# Altium PCB PCB_3U_CLK_DIST.PCBDOC (part 1 of 2) (continued)
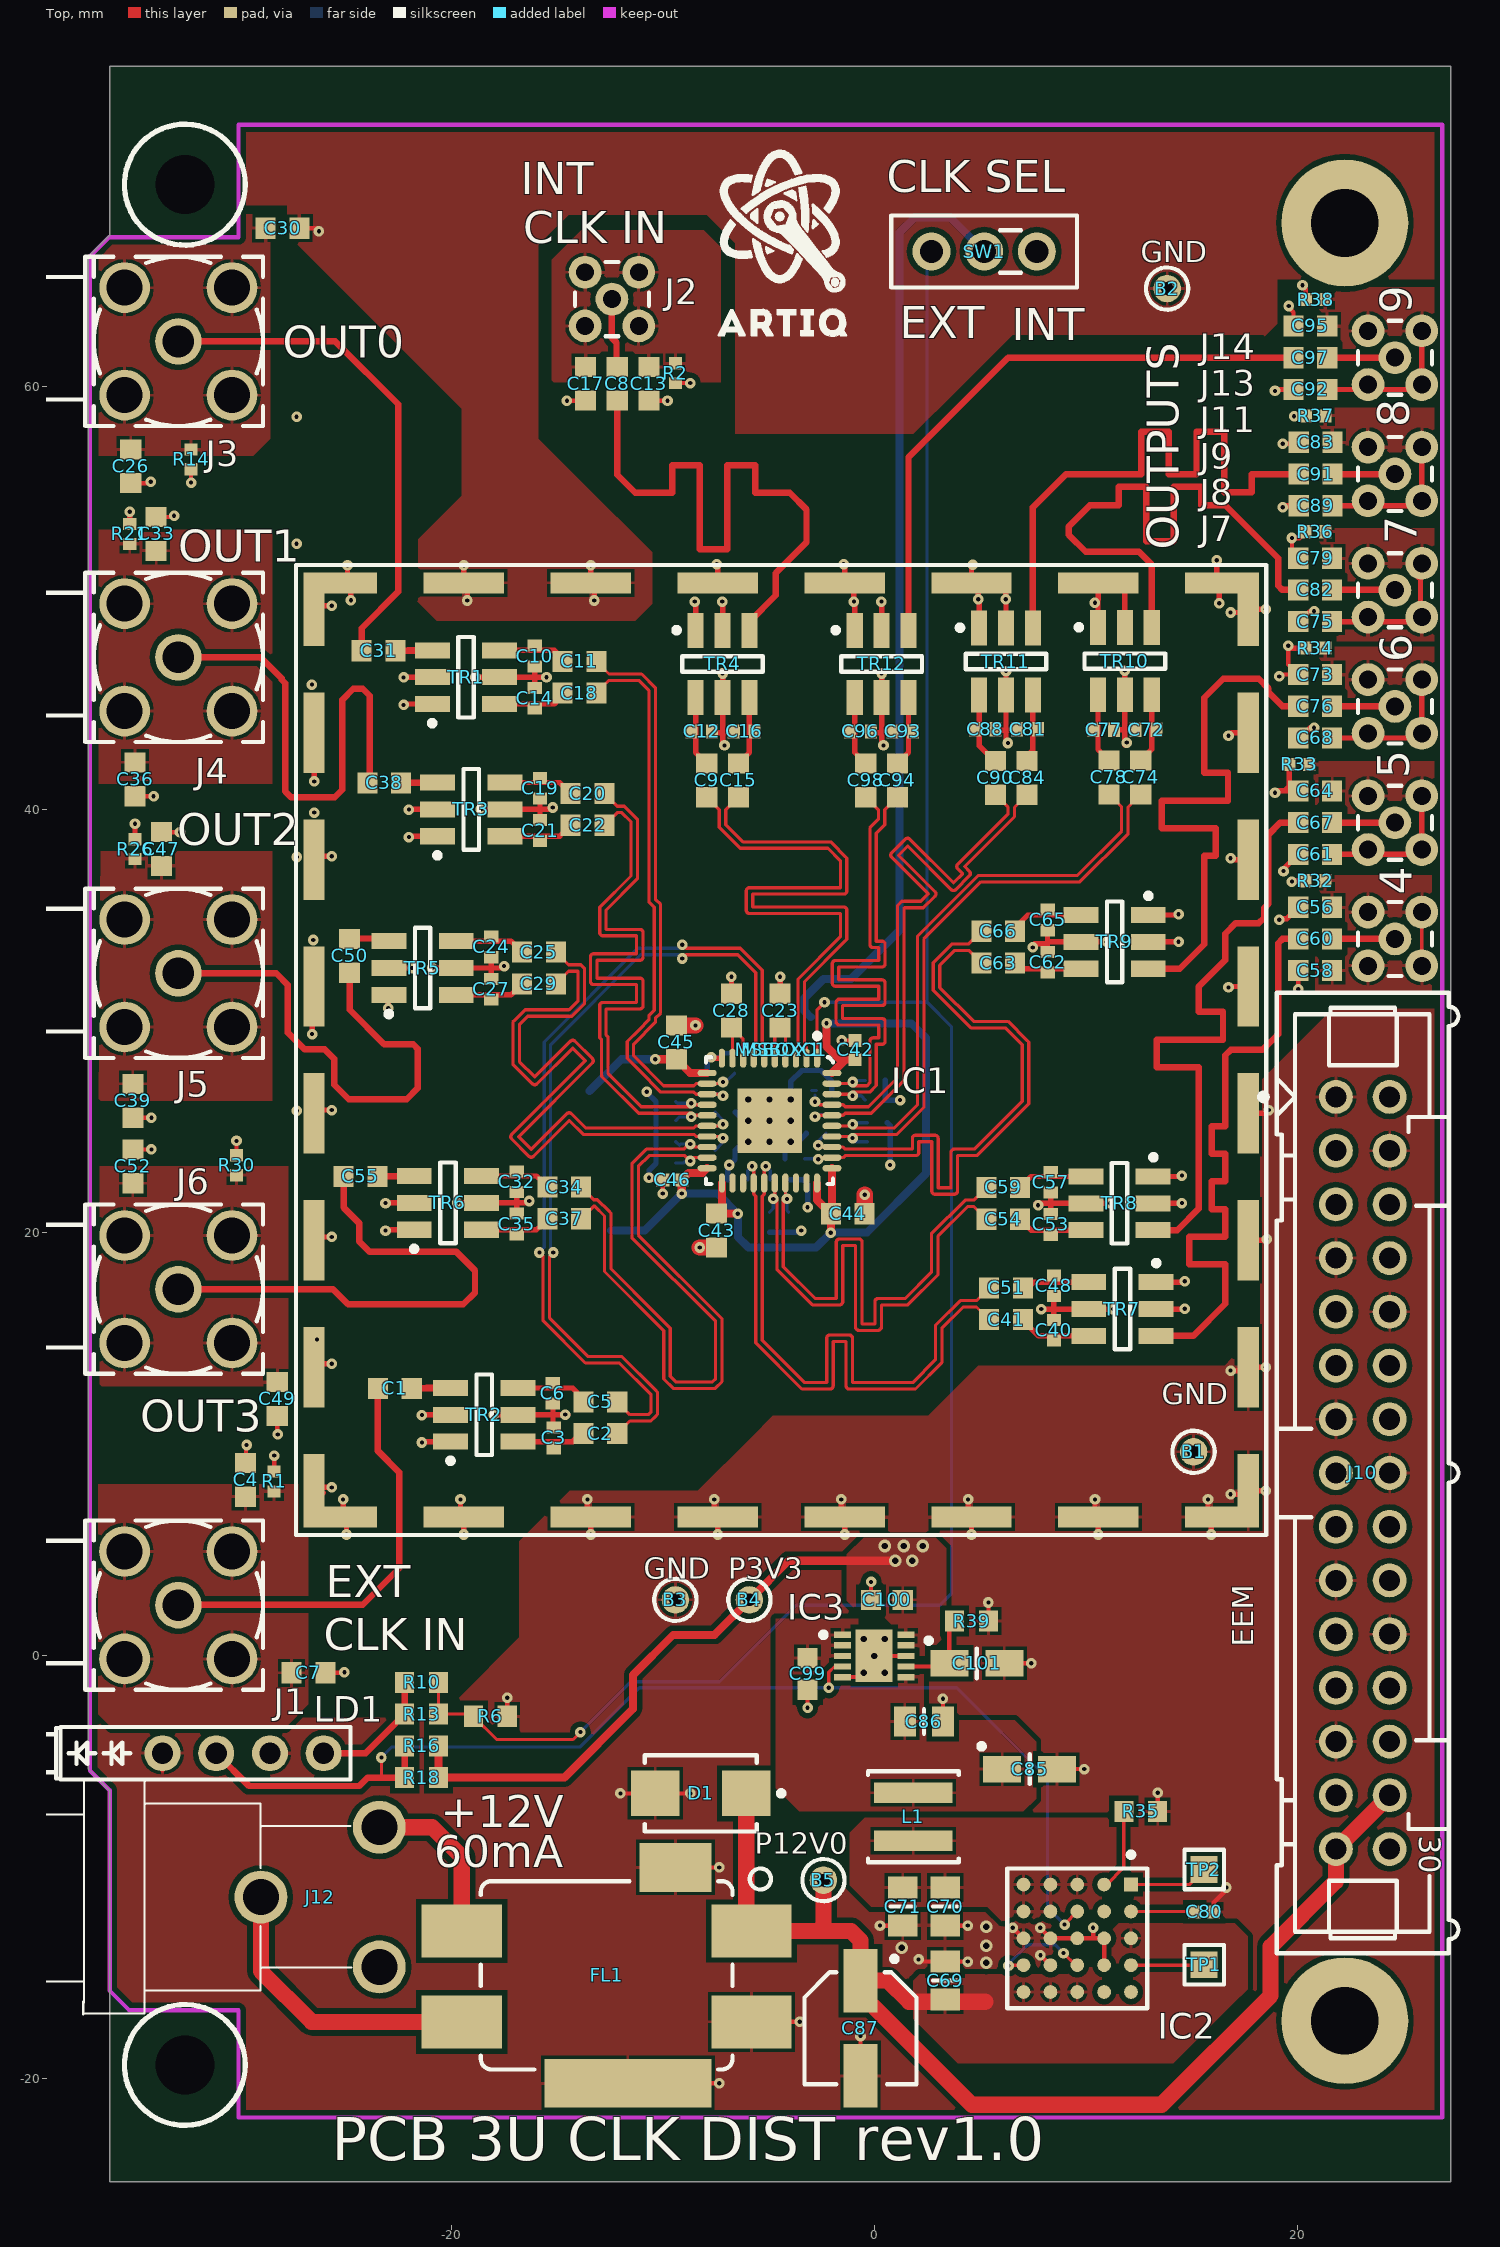
[diagram p0: Top view]
## Design rules (kind name [scope] priority, off if disabled: settings)
AcuteAngle [All] p1: minimum=6.00000000000000E+0001 checktracksonly=FALSE
Clearance Clearance_poly [InPolygon] p1: gap=0.254
Clearance Clearance_50R [InNetClass('50_Ohms')] p2: gap=0.305 except(0.254: Track-SMDPad Track-THPad; 0.508: Track-Poly SMDPad-Poly)
Clearance Clearance_DIFF [(InDifferentialPairClass('All Differential Pairs'))] p3: gap=0.127 except(0.254: Arc-Poly Track-Poly SMDPad-Poly THPad-Poly Via-Poly Fill-Poly Poly-Poly Poly-Region Poly-Text)
Clearance [All] p4: gap=0.127 except(0.203: Arc-Poly Track-Poly SMDPad-Poly THPad-Poly Via-Poly Fill-Poly Poly-Poly)
DiffPairsRouting [All] p1: maxlimit=0.165 minlimit=0.127 mostfreqgap=0.152 toplayer_minwidth=0.14 toplayer_maxwidth=0.152 toplayer_prefwidth=0.152 midlayer1_minwidth=0.14 midlayer1_maxwidth=0.152 midlayer1_prefwidth=0.152 bottomlayer_minwidth=0.14 bottomlayer_maxwidth=0.152 bottomlayer_prefwidth=0.152 maxuncoupledlength=12.7
FabricationTestPointUsage TestPointUsage [All] p1: valid=0 allowmultiple=FALSE
FabricationTestpoint Testpoint [All] p1: side=3 testpointundercomponent=TRUE minsize=1.016 maxsize=2.54 preferedsize=1.524 minholesize=0.508 maxholesize=1.016 preferedholesize=0.813 testpointgrid=0.025 allowsidetop=TRUE allowsidebottom=TRUE usegrid=TRUE gridtolerance=0
HoleSize [All] p1: absolutevalues=TRUE maxlimit=3.81 minlimit=0.025 maxpercent=80.000 minpercent=20.000
HoleToHoleClearance [All] p1: gap=0.025 allowstackedmicrovias=TRUE
MatchedLengths MatchLengths_xSignals_J1_C1_10 [InxSignalClass('xSignals_J1_C1_MatchLengthsClass_10')] p1: tolerance=2.54 checknetsindiffpair=FALSE checkdiffpairvsdiffpair=TRUE checkxsignals=TRUE checkothers=TRUE
MatchedLengths MatchLengths_xSignals_J1_C1_9 [InxSignalClass('xSignals_J1_C1_MatchLengthsClass_9')] p2: tolerance=2.54 checknetsindiffpair=FALSE checkdiffpairvsdiffpair=TRUE checkxsignals=TRUE checkothers=TRUE
MatchedLengths MatchLengths_xSignals_J1_C1_8 [InxSignalClass('xSignals_J1_C1_MatchLengthsClass_8')] p3: tolerance=2.54 checknetsindiffpair=FALSE checkdiffpairvsdiffpair=TRUE checkxsignals=TRUE checkothers=TRUE
MatchedLengths MatchLengths_xSignals_J1_C1_7 [InxSignalClass('xSignals_J1_C1_MatchLengthsClass_7')] p4: tolerance=2.54 checknetsindiffpair=FALSE checkdiffpairvsdiffpair=TRUE checkxsignals=TRUE checkothers=TRUE
MatchedLengths MatchLengths_xSignals_J1_C1_6 [InxSignalClass('xSignals_J1_C1_MatchLengthsClass_6')] p5: tolerance=2.54 checknetsindiffpair=FALSE checkdiffpairvsdiffpair=TRUE checkxsignals=TRUE checkothers=TRUE
MatchedLengths MatchLengths_xSignals_J1_C1_5 [InxSignalClass('xSignals_J1_C1_MatchLengthsClass_5')] p6: tolerance=2.54 checknetsindiffpair=FALSE checkdiffpairvsdiffpair=TRUE checkxsignals=TRUE checkothers=TRUE
MatchedLengths MatchLengths_xSignals_J1_C1_4 [InxSignalClass('xSignals_J1_C1_MatchLengthsClass_4')] p7: tolerance=2.54 checknetsindiffpair=FALSE checkdiffpairvsdiffpair=TRUE checkxsignals=TRUE checkothers=TRUE
MatchedLengths MatchLengths_xSignals_J1_C1_3 [InxSignalClass('xSignals_J1_C1_MatchLengthsClass_3')] p8: tolerance=2.54 checknetsindiffpair=FALSE checkdiffpairvsdiffpair=TRUE checkxsignals=TRUE checkothers=TRUE
MatchedLengths MatchLengths_xSignals_J1_C1_2 [InxSignalClass('xSignals_J1_C1_MatchLengthsClass_2')] p9: tolerance=2.54 checknetsindiffpair=FALSE checkdiffpairvsdiffpair=TRUE checkxsignals=TRUE checkothers=TRUE
MatchedLengths MatchLengths_xSignals_J1_C1_1 [InxSignalClass('xSignals_J1_C1_MatchLengthsClass_1')] p10: tolerance=2.54 checknetsindiffpair=FALSE checkdiffpairvsdiffpair=TRUE checkxsignals=TRUE checkothers=TRUE
MatchedLengths MatchLengths_xSignals_J1_C1 [InxSignalClass('xSignals_J1_C1_MatchLengthsClass')] p11: tolerance=2.54 checknetsindiffpair=FALSE checkdiffpairvsdiffpair=TRUE checkxsignals=TRUE checkothers=TRUE
MatchedLengths MatchLengths_xSignals_IC1_C1,C11,C13,C15,C17,C18,C2,C20,C22,C23,C25,C26,C28,C29,C30,C31,C33,C34,C36,C37,C38,C39,C4,C41,C43,C44,C45,C47,C49,C5,C50,C51,C52,C54,C55,C56,C58,C59,C60,C61,C63,C64,C66,C67,C68,C7,C73,C74,C75,C76,C78,C79,C8,C82,C83,C84,C89,C9,C90,C91,C92,C94,C95,C97,C98 [InxSignalClass('xSignals_IC1_C1,C11,C13,C15,C17,C18,C2,C20,C22,C23,C25,C26,C28,C29,C30,C31,C33,C34,C36,C37,C38,C39,C4,C41,C43,C44,C45,C47,C49,C5,C50,C51,C52,C54,C55,C56,C58,C59,C60,C61,C63,C64,C66,C67,C68,C7,C73,C74,C75,C76,C78,C79,C8,C82,C83,C84,C89,C9,C90,C91,C92,C94,C95,C97,C98_MatchLengthsClass')] p12: tolerance=2.54 checknetsindiffpair=FALSE checkdiffpairvsdiffpair=TRUE checkxsignals=TRUE checkothers=TRUE
MinimumSolderMaskSliver [All] p1: minsoldermaskwidth=0
PlaneClearance [All] p1: clearance=0.254
PlaneConnect [All] p1: planeconnectstyle=Direct reliefexpansion=0.508 reliefentries=4 reliefconductorwidth=0.254 reliefairgap=0.254
PolygonConnect PolygonConnect_pad [(InPadClass('All Pads'))] p1: connectstyle=Relief reliefconductorwidth=0.152 reliefentries=4 polygonreliefangle="90 Angle" airgapwidth=0.152
PolygonConnect [All] p2: connectstyle=Direct reliefconductorwidth=0.254 reliefentries=4 polygonreliefangle="45 Angle" airgapwidth=0.254
RoomDefinition CLK_DIST [InComponentClass('CLK_DIST')] p1 off: confinementstyle=ConfineIn formatcopy=TRUE lockcomponents=FALSE outline 28.5,-23 211.25,-23 211.25,0.75 28.5,0.75
RoutingVias [All] p1: holewidth=0.2 width=0.5 viastyle="Through Hole" minholewidth=0.2 minwidth=0.5 maxholewidth=0.711 maxwidth=1.27
SilkToSilkClearance [All] p1: silktosilkclearance=0
SilkToSolderMaskClearance SilkscreenOverComponentPads [IsPad] p1: minsilkscreentomaskgap=0 clearancetoexposedcopper=TRUE
SolderMaskExpansion [All] p1: expansion=0.051
ViasUnderSMD [InComponent('IC1')] p1: allowed=TRUE
Width Width_50R [InNetClass('50_Ohms')] p1: maxlimit=0.305 minlimit=0.305 preferedwidth=0.305
Width [All] p2: maxlimit=1.27 minlimit=0.127 preferedwidth=0.203
20 further rules are at their usual default settings.

## Classes and differential pairs
net class 50_Ohms: EEM_CLK_OUT0 EEM_CLK_OUT1 EEM_CLK_OUT2 EEM_CLK_OUT3 EEM_CLK_OUT4 EEM_CLK_OUT5 EEM_CLK_OUT6 EEM_CLK_OUT7 EEM_CLK_OUT8 EEM_CLK_OUT9 NetC1_1 NetC1_2 NetC8_1 NetC8_2 NetC31_1 NetC38_1 NetC50_1 NetC55_1 NetC60_1 NetC67_1 NetC76_1 NetC82_1 NetC91_1 NetC97_1
differential pair IN_CLK1: +IN_CLK1_P -IN_CLK1_N
differential pair IN_CLK0: +IN_CLK0_P -IN_CLK0_N
differential pair EEM_OUT9: +EEM_OUT9_P -EEM_OUT9_N
differential pair EEM_OUT8: +EEM_OUT8_P -EEM_OUT8_N
differential pair EEM_OUT7: +EEM_OUT7_P -EEM_OUT7_N
differential pair EEM_OUT6: +EEM_OUT6_P -EEM_OUT6_N
differential pair EEM_OUT5: +EEM_OUT5_P -EEM_OUT5_N
differential pair EEM_OUT4: +EEM_OUT4_P -EEM_OUT4_N
differential pair EEM_OUT3: +EEM_OUT3_P -EEM_OUT3_N
differential pair EEM_OUT2: +EEM_OUT2_P -EEM_OUT2_N
differential pair EEM_OUT1: +EEM_OUT1_P -EEM_OUT1_N
differential pair EEM_OUT0: +EEM_OUT0_P -EEM_OUT0_N

## Components (designator, comment, footprint, x,y, rotation, side; value= is the part's Value field where it differs from the comment)
B1 "Plated Hole" c130h60 15.1,9.65 r0 top
B2 "Plated Hole" c130h60 13.85,64.65 r90 top
B3 "Plated Hole" c130h60 -9.4,2.65 r90 top
B4 "Plated Hole" c130h60 -5.9,2.65 r0 top
B5 "Plated Hole" c130h60 -2.4,-10.6 r0 top
C1 "10nF" CAPC1608X87N -22.665,12.65 r0 top
C2 "10nF" CAPC1608X87N -12.95,10.51 r0 top
C3 "0.5pF" CAPC1005X50N -15.15,10.31 r270 top
C4 "10nF" CAPC1608X87N -29.725,8.325 r90 top
C5 "10nF" CAPC1608X87N -12.95,12.01 r0 top
C6 "0.5pF" CAPC1005X50N -15.2,12.42 r270 top
C7 "10nF" CAPC1608X87N -26.75,-0.797 r0 top
C8 "10nF" CAPC1608X87N -12.15,60.15 r270 top
C9 "10nF" CAPC1608X87N -7.92,41.4 r270 top
C10 "0.5pF" CAPC1005X50N -16.05,47.275 r270 top
C11 "10nF" CAPC1608X87N -13.935,47.025 r0 top
C12 "0.5pF" CAPC1005X50N -8.15,43.71 r180 top
C13 "10nF" CAPC1608X87N -10.65,60.15 r270 top
C14 "0.5pF" CAPC1005X50N -16.05,45.275 r270 top
C15 "10nF" CAPC1608X87N -6.42,41.4 r270 top
C16 "0.5pF" CAPC1005X50N -6.15,43.71 r180 top
C17 "10nF" CAPC1608X87N -13.65,60.15 r270 top
C18 "10nF" CAPC1608X87N -13.935,45.525 r0 top
C19 "0.5pF" CAPC1005X50N -15.8,41.025 r270 top
C20 "10nF" CAPC1608X87N -13.55,40.775 r0 top
C21 "0.5pF" CAPC1005X50N -15.8,39.025 r270 top
C22 "10nF" CAPC1608X87N -13.55,39.275 r0 top
C23 "10nF" CAPC1608X87N -4.45,30.51 r270 top
C24 "0.5pF" CAPC1005X50N -18.1,33.525 r270 top
C25 "10nF" CAPC1608X87N -15.85,33.275 r0 top
C26 "10nF" CAPC1608X87N -35.15,56.248 r270 top
C27 "0.5pF" CAPC1005X50N -18.1,31.525 r270 top
C28 "10nF" CAPC1608X87N -6.75,30.51 r270 top
C29 "10nF" CAPC1608X87N -15.85,31.775 r0 top
C30 "10nF" CAPC1608X87N -27.975,67.5 r180 top
C31 "10nF" CAPC1608X87N -23.435,47.525 r0 top
C32 "0.5pF" CAPC1005X50N -16.905,22.42 r270 top
C33 "10nF" CAPC1608X87N -33.949,53.048 r90 top
C34 "10nF" CAPC1608X87N -14.655,22.17 r0 top
C35 "0.5pF" CAPC1005X50N -16.905,20.42 r270 top
C36 "10nF" CAPC1608X87N -34.95,41.448 r90 top
C37 "10nF" CAPC1608X87N -14.655,20.67 r0 top
C38 "10nF" CAPC1608X87N -23.165,41.275 r0 top
C39 "10nF" CAPC1608X87N -35.05,26.248 r270 top
C40 "0.5pF" CAPC1005X50N 8.5,15.4 r90 top
C41 "10nF" CAPC1608X87N 6.235,15.9 r180 top
C42 "100nF" CAPC1005X55N -0.9,28.65 r270 top
C43 "10nF" CAPC1608X87N -7.45,20.11 r90 top
C44 "10nF" CAPC1608X87N -1.25,20.91 r180 top
C45 "10nF" CAPC1608X87N -9.35,29.01 r270 top
C46 "100nF" CAPC1005X55N -9.55,22.51 r0 top
C47 "10nF" CAPC1608X87N -33.7,38.148 r270 top
C48 "0.5pF" CAPC1005X50N 8.5,17.5 r90 top
C49 "10nF" CAPC1608X87N -28.225,12.15 r270 top
C50 "10nF" CAPC1608X87N -24.8,33.1 r90 top
C51 "10nF" CAPC1608X87N 6.235,17.4 r180 top
C52 "10nF" CAPC1608X87N -35.05,23.148 r270 top
C53 "0.5pF" CAPC1005X50N 8.35,20.4 r90 top
C54 "10nF" CAPC1608X87N 6.1,20.65 r180 top
C55 "10nF" CAPC1608X87N -24.29,22.67 r0 top
C56 "10nF" CAPC1608X87N 20.85,35.4 r180 top
C57 "0.5pF" CAPC1005X50N 8.35,22.4 r90 top
C58 "10nF" CAPC1608X87N 20.85,32.4 r0 top
C59 "10nF" CAPC1608X87N 6.1,22.15 r180 top
C60 "10nF" CAPC1608X87N 20.85,33.9 r180 top
C61 "10nF" CAPC1608X87N 20.85,37.9 r180 top
C62 "0.5pF" CAPC1005X50N 8.2,32.8 r90 top
C63 "10nF" CAPC1608X87N 5.865,32.76 r180 top
C64 "10nF" CAPC1608X87N 20.85,40.9 r0 top
C65 "0.5pF" CAPC1005X50N 8.2,34.8 r90 top
C66 "10nF" CAPC1608X87N 5.865,34.26 r180 top
C67 "10nF" CAPC1608X87N 20.85,39.4 r180 top
C68 "10nF" CAPC1608X87N 20.85,43.4 r180 top
C69 "22uF" CAPC2012X135N 3.35,-15.35 r270 top
C70 "22uF" CAPC2012X135N 3.35,-11.85 r90 top
C71 "22uF" CAPC2012X135N 1.35,-11.85 r90 top
C72 "0.5pF" CAPC1005X50N 12.85,43.785 r180 top
C73 "10nF" CAPC1608X87N 20.85,46.4 r0 top
C74 "10nF" CAPC1608X87N 12.6,41.535 r270 top
C75 "10nF" CAPC1608X87N 20.85,48.9 r180 top
C76 "10nF" CAPC1608X87N 20.85,44.9 r180 top
C77 "0.5pF" CAPC1005X50N 10.85,43.785 r180 top
C78 "10nF" CAPC1608X87N 11.1,41.535 r270 top
C79 "10nF" CAPC1608X87N 20.85,51.9 r0 top
C80 "100nF" CAPC1005X55N 15.6,-12.1 r180 top
C81 "0.5pF" CAPC1005X50N 7.25,43.81 r180 top
C82 "10nF" CAPC1608X87N 20.85,50.4 r180 top
C83 "10nF" CAPC1608X87N 20.87,57.38 r180 top
C84 "10nF" CAPC1608X87N 7.23,41.515 r270 top
C85 "22uF" CAPMP3216X180N 7.35,-5.35 r0 top
C86 "22uF" CAPC2012X135N 2.35,-3.1 r180 top
C87 "22uF" CAPAE530X540N -0.65,-17.6 r270 top
C88 "0.5pF" CAPC1005X50N 5.25,43.81 r180 top
C89 "10nF" CAPC1608X87N 20.87,54.38 r0 top
C90 "10nF" CAPC1608X87N 5.73,41.515 r270 top
C91 "10nF" CAPC1608X87N 20.87,55.88 r180 top
C92 "10nF" CAPC1608X87N 20.62,59.88 r180 top
C93 "0.5pF" CAPC1005X50N 1.35,43.71 r180 top
C94 "10nF" CAPC1608X87N 1.1,41.4 r270 top
C95 "10nF" CAPC1608X87N 20.62,62.88 r0 top
C96 "0.5pF" CAPC1005X50N -0.65,43.71 r180 top
C97 "10nF" CAPC1608X87N 20.62,61.38 r180 top
C98 "10nF" CAPC1608X87N -0.4,41.4 r270 top
C99 "4.7uF" CAPC1608X90N -3.15,-0.85 r270 top
C100 "4.7uF" CAPC1608X90N 0.6,2.65 r0 top
C101 "22uF" CAPMP3216X180N 4.85,-0.35 r0 top
D1 "SMBJ15A" DIOM5336X265N -8.2,-6.5 r180 top
FL1 "10A/50VDC" FIL_MURATA_BNX02 -12.65,-15.1 r0 top
IC1 "ADCLK950BCPZ" QFN50P600X600X100-41N-S305 -4.95,25.31 r270 top locked
IC2 "LTM4623EV#PBF" LGA25C127P5X5_625X625X192 9.6,-13.35 r270 top
IC3 "LT3045EDD#PBF" SON50P300X300X80-11N-R175X248 0,0 r0 top
J1 "SMA" RF249BT0050GHDW -32.9,2.4 r180 top
J2 "MMCX-J-P-H-ST-TH1" SAMTEC_MMCX-J-P-H-ST-TH1 -12.4,64.15 r90 top
J3 "SMA" RF249BT0050GHDW -32.9,62.15 r180 top
J4 "SMA" RF249BT0050GHDW -32.9,47.213 r180 top
J5 "SMA" RF249BT0050GHDW -32.9,32.275 r180 top
J6 "SMA" RF249BT0050GHDW -32.9,17.338 r180 top
J7 "MMCX-J-P-H-ST-TH1" SAMTEC_MMCX-J-P-H-ST-TH1 24.62,33.9 r0 top
J8 "MMCX-J-P-H-ST-TH1" SAMTEC_MMCX-J-P-H-ST-TH1 24.62,39.396 r180 top
J9 "MMCX-J-P-H-ST-TH1" SAMTEC_MMCX-J-P-H-ST-TH1 24.62,44.892 r0 top
J10 "Familly" 3M_N2530-6002RB 23.1,8.65 r270 top
J11 "MMCX-J-P-H-ST-TH1" SAMTEC_MMCX-J-P-H-ST-TH1 24.62,50.388 r0 top
J12 "Jack" SWITCHCRAFT_L712RA -23.4,-8.1 r0 top
J13 "MMCX-J-P-H-ST-TH1" SAMTEC_MMCX-J-P-H-ST-TH1 24.62,55.884 r0 top
J14 "MMCX-J-P-H-ST-TH1" SAMTEC_MMCX-J-P-H-ST-TH1 24.62,61.38 r0 top
L1 "6.8uH" IND_COILCRAFT_XAL4030 1.85,-7.6 r270 top
LD1 "Green/Green" LED_DIALIGHT_571-0122F -33.65,-4.6 r0 top
MSBOX1 "Metal Screening Box 28 Pins" MSBOX_LAIRD_BMI-S-207-F -4.4,28.65 r0 top locked
MSBOXC1 "Top Cover" MSBOX_LAIRD_BMI-S-207-C -4.4,28.65 r90 top locked
R1 "100k" RESC1005X40N -28.375,8.25 r270 top
R2 "100k" RESC1005X40N -9.4,60.65 r90 top
R3 "200" RESC1005X40N 0.05,27.21 r0 bottom
R4 "200" RESC1005X40N 0.05,26.282 r0 bottom
R5 "200" RESC1005X40N -2.9,27.3 r90 bottom
R6 "1k2" RESC1608X55N -18.15,-2.85 r0 top
R7 "200" RESC1005X40N -2,26.06 r90 bottom
R8 "200" RESC1005X40N 0.15,25.21 r0 bottom
R9 "200" RESC1005X40N 0.15,24.31 r0 bottom
R10 "1k2" RESC1608X55N -21.4,-1.25 r0 top
R11 "200" RESC1005X40N -2.75,24.71 r180 bottom
R12 "200" RESC1005X40N -3.75,23.51 r180 bottom
R13 "1k2" RESC1608X55N -21.4,-2.75 r0 top
R14 "100k" RESC1005X40N -32.3,56.575 r90 top
R15 "200" RESC1005X40N -4.05,20.51 r270 bottom
R16 "1k2" RESC1608X55N -21.4,-4.25 r0 top
R17 "200" RESC1005X40N -4.95,20.51 r270 bottom
R18 "1k2" RESC1608X55N -21.4,-5.75 r0 top
R19 "200" RESC1005X40N -4.45,22.51 r0 bottom
R20 "200" RESC1005X40N -6.45,22.51 r180 bottom
R21 "100k" RESC1005X40N -35.199,53.048 r270 top
R22 "200" RESC1005X40N -9.85,23.31 r180 bottom
R23 "200" RESC1005X40N -9.85,24.31 r180 bottom
R24 "200" RESC1005X40N -7.05,23.91 r0 bottom
R25 "200" RESC1005X40N -7.05,25.71 r0 bottom
R26 "100k" RESC1005X40N -34.95,38.148 r270 top
R27 "200" RESC1005X40N -9.85,25.31 r180 bottom
R28 "200" RESC1005X40N -9.85,26.21 r180 bottom
R29 "200" RESC1005X40N -7.9,27.06 r90 bottom
R30 "100k" RESC1005X40N -30.15,23.2 r270 top
R31 "200" RESC1005X40N -6.6,28.025 r90 bottom
R32 "100k" RESC1005X40N 20.85,36.65 r0 top
R33 "100k" RESC1005X40N 20.1,42.15 r0 top
R34 "100k" RESC1005X40N 20.85,47.65 r0 top
R35 "12k" RESC1608X55N 12.6,-7.35 r0 top
R36 "100k" RESC1005X40N 20.85,53.15 r0 top
R37 "100k" RESC1005X40N 20.87,58.63 r0 top
R38 "100k" RESC1005X40N 20.87,64.13 r0 top
R39 "3k3" RESC1608X55N 4.6,1.65 r0 top
SW1 "Switch" SW_TYCO_1-1437575-4 5.2,66.4 r180 top
TP1 "Test Point" TPS127 15.6,-14.6 r90 top
TP2 "Test Point" TPS127 15.6,-10.1 r90 top
TR1 "1:2" XFMR_MINI-CIRCUITS_DB1627 -19.3,46.275 r90 top
TR2 "1:2" XFMR_MINI-CIRCUITS_DB1627 -18.435,11.4 r90 top
TR3 "1:2" XFMR_MINI-CIRCUITS_DB1627 -19.05,40.025 r90 top
TR4 "1:2" XFMR_MINI-CIRCUITS_DB1627 -7.17,46.9 r0 top
TR5 "1:2" XFMR_MINI-CIRCUITS_DB1627 -21.35,32.525 r90 top
TR6 "1:2" XFMR_MINI-CIRCUITS_DB1627 -20.155,21.42 r90 top
TR7 "1:2" XFMR_MINI-CIRCUITS_DB1627 11.735,16.4 r270 top
TR8 "1:2" XFMR_MINI-CIRCUITS_DB1627 11.6,21.4 r270 top
TR9 "1:2" XFMR_MINI-CIRCUITS_DB1627 11.365,33.76 r270 top
TR10 "1:2" XFMR_MINI-CIRCUITS_DB1627 11.85,47.035 r0 top
TR11 "1:2" XFMR_MINI-CIRCUITS_DB1627 6.23,47.015 r0 top
TR12 "1:2" XFMR_MINI-CIRCUITS_DB1627 0.35,46.9 r0 top

## Footprints (in the part's own frame and the unit in brackets; to place one, negate y for a bottom-side part, rotate by r counter-clockwise, add the part's x,y. Pads: shape width x height; smd on the part's side, far side on the other; paste and mask are expansions set on the pad)
3M_N2530-6002RB [mm] "30 Contacts - Straight .100\" x .100\" Low Profile Four-Wall Header"
  round 1.6 hole 1: 1(-17.78,-1.27) 2(-17.78,1.27) 3(-15.24,-1.27) 4(-15.24,1.27) 5(-12.7,-1.27) 6(-12.7,1.27) 7(-10.16,-1.27) 8(-10.16,1.27) 9(-7.62,-1.27) 10(-7.62,1.27) 11(-5.08,-1.27) 12(-5.08,1.27) 13(-2.54,-1.27) 14(-2.54,1.27) 15(0,-1.27) 16(0,1.27) 17(2.54,-1.27) 18(2.54,1.27) 19(5.08,-1.27) 20(5.08,1.27) 21(7.62,-1.27) 22(7.62,1.27) 23(10.16,-1.27) 24(10.16,1.27) 25(12.7,-1.27) 26(12.7,1.27) 27(15.24,-1.27) 28(15.24,1.27) 29(17.78,-1.27) 30(17.78,1.27)
  silkscreen extent -22.71,-4.85 22.71,4.52, body extent -22.71,-4.11 22.71,4.52, height 9.91
c130h60 [mm] "Plated Through Hole: Hole Dia.=0.6mm Pad Dia.=1.30mm"
  round 1.3 hole 0.6: 1(0,0)
  silkscreen extent -1,-1 1,1
CAPAE530X540N [mm] "Capacitor, Aluminium Electrolytric, 5.3mm L X 5.3mm W X 5.4mm H, IPC Medium Density"
  rect 3x1.6 smd: 1(-2.25,0) 2(2.25,0)
  silkscreen extent -3.4,-2.65 2.65,2.65, body extent -3.25,-2.75 3.25,2.75, height 5.7
CAPC1005X50N [mm] "Chip Capacitor, Body 1.0x0.55mm, IPC Medium Density"
  rect 0.57x0.68 smd: 1(-0.49,0) 2(0.49,0)
  body extent -0.5,-0.27 0.5,0.28, height 0.5
CAPC1005X55N [mm] "Chip Capacitor, Body 1.0x0.55mm, IPC Medium Density"
  rect 0.62x0.62 smd: 1(-0.45,0) 2(0.45,0)
  body extent -0.52,-0.27 0.53,0.28, height 0.55
CAPC1608X87N [mm] "Chip Capacitor, Body 1.6x0.8mm IPC Medium Density"
  rect 0.95x1 smd: 1(-0.8,0) 2(0.8,0)
  body extent -0.87,-0.47 0.88,0.48, height 0.87
CAPC1608X90N [mm] "Chip Capacitor, Body 1.6x0.8mm IPC Medium Density"
  rect 0.95x0.95 smd: 1(-0.75,0) 2(0.75,0)
  body extent -0.85,-0.45 0.85,0.45, height 0.9
CAPC2012X135N [mm] "Chip Capacitor, Body 2.0x1.25mm, IPC Medium Density"
  rect 1.05x1.4 smd: 1(-0.9,0) 2(0.9,0)
  silkscreen extent 0,-0.58 0,0.58, body extent -1.05,-0.67 1.05,0.68, height 1.25
CAPMP3216X180N [mm] "Capacitor, Polarized, Molded  Body 3.2x1.6mm, IPC Medium Density"
  rect 1.8x1.25 smd: 1(-1.3,0) 2(1.3,0)
  silkscreen extent -2.4,-0.7 0,1.2, body extent -1.7,-0.9 1.7,0.9, height 1.6
DIOM5336X265N [mm] "DO-214-AA/SMB Diode, Molded Body; 5.34mm L X 3.625mm W X 2.65mm H, IPC Medium Density"
  rect 2.3x2.15 smd: 1(-2.15,0) 2(2.15,0)
  silkscreen extent -3.93,-1.8 2.65,1.8, body extent -2.7,-1.95 2.7,1.95, height 2.4
FIL_MURATA_BNX02 [mm] "Block Type EMIFIL LC Combined Type, BNX02* Series"
  rect 3.8x2.5 smd: 1(-6.85,2.1) 2(6.85,2.1) 3(-6.85,-2.2) 4(6.85,-2.2)
  rect 7.9x2.3 smd: 4(1,-5.1)
  rect 3.4x2.3 smd: 4(3.25,5.1)
  silkscreen extent -5.95,-4.45 7.77,5.05, body extent -6.05,-4.55 6.05,4.55, height 3.1
IND_COILCRAFT_XAL4030 [mm] "SMD Inductor Body Width 4.3mm Body Lenght 4.3mm Height 3.1mm, XAL4030 Series"
  rect 0.98x3.7 smd: 1(-1.135,0) 2(1.135,0)
  silkscreen extent -2.15,-2.15 2.15,2.15, body extent -2.15,-2.15 2.15,2.15, height 3.1
LED_DIALIGHT_571-0122F [mm] "2x 2mm LED (Top: Green, Bot: Green) PCB Edge Mounting (Without positioning pins) DIALIGHT 571 Serie"
  round 1.7 hole 1: 1(0,0) 2(2.54,0) 3(5.08,0) 4(7.62,0)
  silkscreen extent -6.55,-1.24 8.89,1.24, body extent -6.55,-1.24 8.89,1.24, height 8.61
LGA25C127P5X5_625X625X192 [mm] "LGA, 1.27mm Pitch, Square; 25 Pin, 5 Columns X 5 Rows, 6.25mm X 6.25mm X 1.92mm H"
  rect 0.65x0.65 smd: A1(-2.54,2.54)
  round 0.65 smd: A2(-1.27,2.54) A3(0,2.54) A4(1.27,2.54) A5(2.54,2.54) B1(-2.54,1.27) B2(-1.27,1.27) B3(0,1.27) B4(1.27,1.27) B5(2.54,1.27) C1(-2.54,0) C2(-1.27,0) C3(0,0) C4(1.27,0) C5(2.54,0) D1(-2.54,-1.27) D2(-1.27,-1.27) D3(0,-1.27) D4(1.27,-1.27) D5(2.54,-1.27) E1(-2.54,-2.54) E2(-1.27,-2.54) E3(0,-2.54) E4(1.27,-2.54) E5(2.54,-2.54)